# Altium PCB CDH_PCB_reva02.PcbDoc (part 1 of 2) (continued)
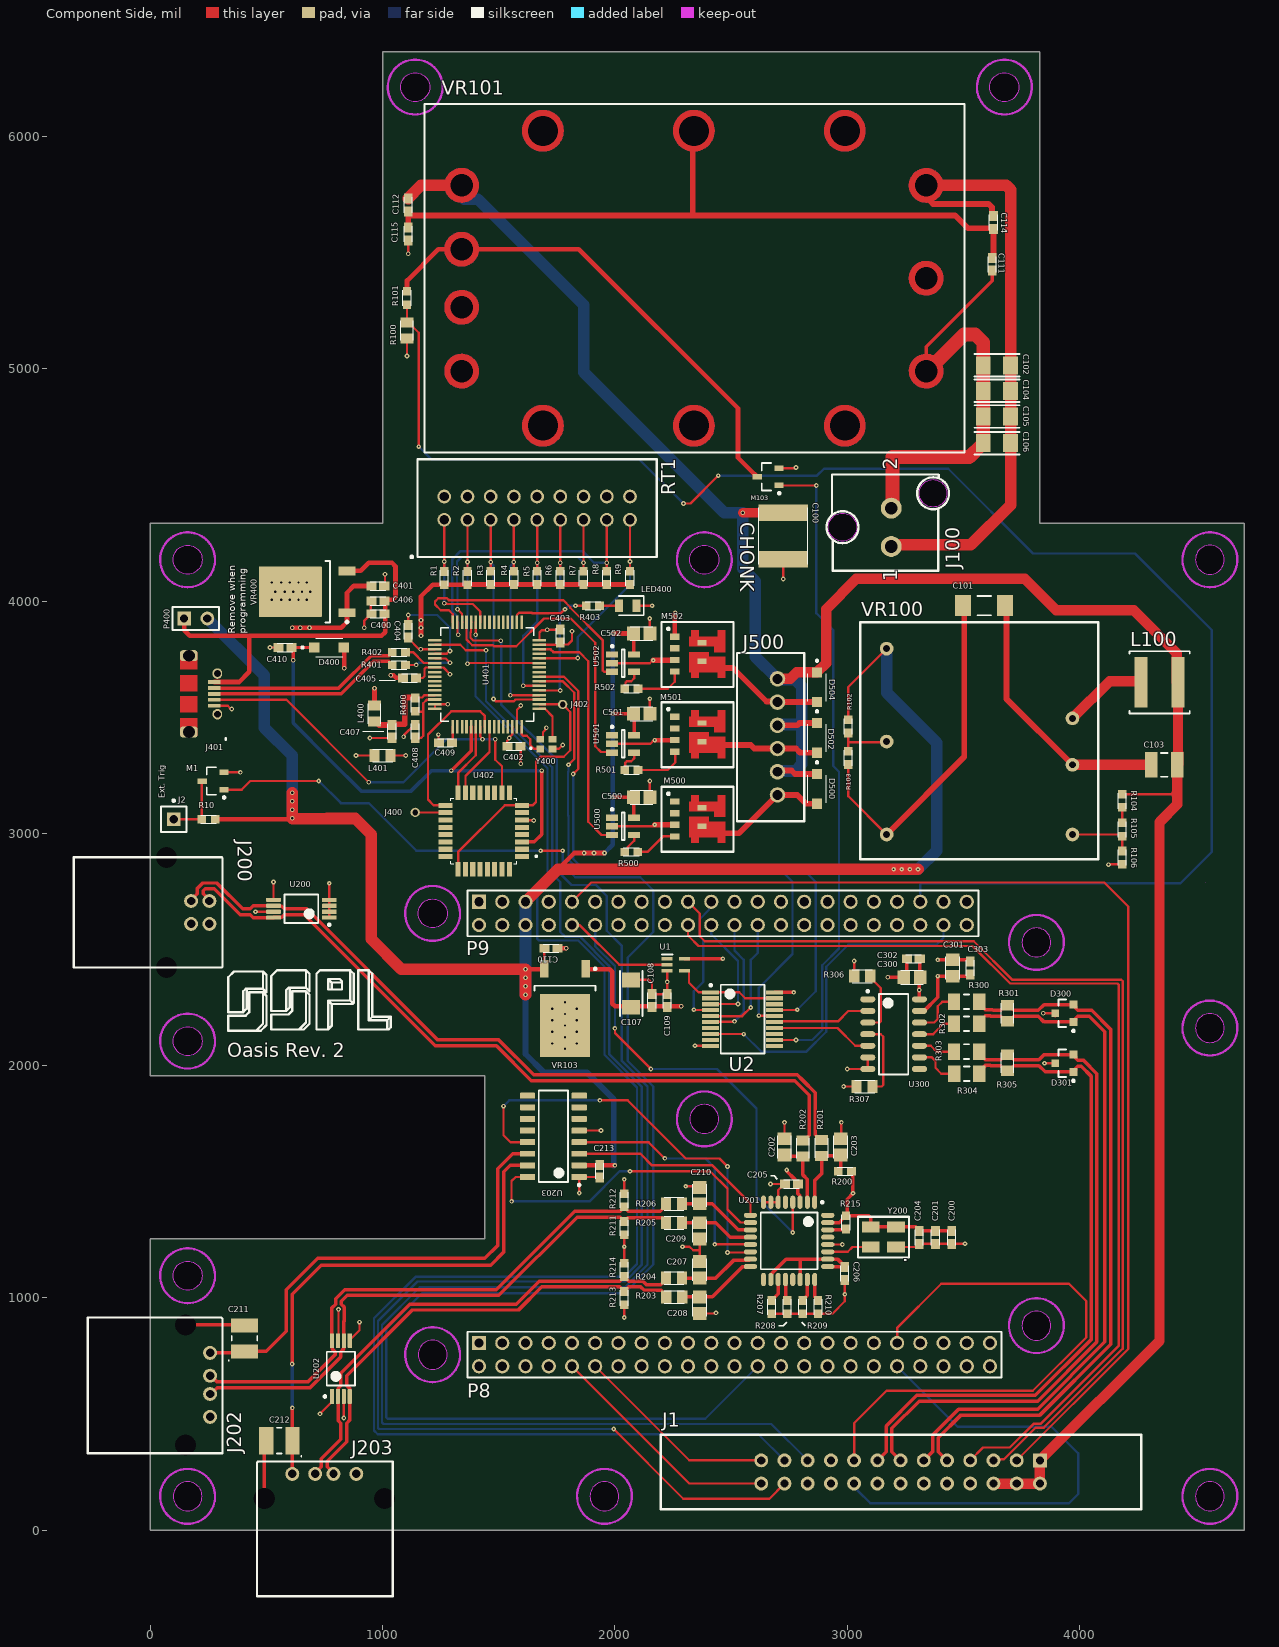
[diagram p0: Component Side view]
## Components (designator, comment, footprint, x,y, rotation, side; value= is the part's Value field where it differs from the comment) (continued)
D500 "STPS1L40ZF" *SODFL3718X108N 2870,3190.24 r270 top
D502 "STPS1L40ZF" *SODFL3718X108N 2870,3410 r270 top
D504 "STPS1L40ZF" *SODFL3718X108N 2870,3627.99 r270 top
J1 "TE_5499922-6" TE_5499922-6 3230,250 r180 top
J2 "External Trig. Socket" PIN1 100,3060 r0 top
J100 "LaserHeader" "MOLEX 2X1 LATCH HEADER" 3190,4235 r90 top
J200 "USB_B_FEMALE" USB_B_FEMALE_RT 175,2659.21 r270 top
J202 "USB_A_FEMALE" USB_A_FEMALE_SINGLE 150,625 r270 top
J203 "USB_A_FEMALE" USB_A_FEMALE_SINGLE 748.66,135 r0 top
J400 "Hole_25mil" PAD_40x25 1140,3090 r0 top value=DNI
J401 "uUSB Padsonly" uUSB_Padsonly 61.57,3800.28 r270 top value=DNI
J402 "Hole_25mil" PAD_40x25 1775,3555 r90 top value=DNI
J500 "HeaterConnector" "MOLEX 6x1 latch header" 2800.39,3066.58 r90 top
L100 "1.1uH Inductor" XAL6020-112ME_ 4345,3650 r180 top value="1.1 uH"
L400 "Ferritde, 600 Ohm Impedence" Imperial0805_RES 965,3515 r90 top value="600 Ohm"
L401 "Ferritde, 600 Ohm Impedence" Imperial0805_RES 1000,3335 r180 top value="600 Ohm"
LED400 "SML-211DTT86" LEDC2012X90N 2055,3980 r180 top
M1 "BSS138LT7G" SOT95P245X110-3N 270,3225 r180 top
M103 "BSS138LT7G" SOT95P245X110-3N 2660,4535 r180 top
M500 "NPN MOSFET" "PowerPAK SO-8L DUAL ASYMMETRIC" 2200.39,3200.08 r270 top locked
M501 "NPN MOSFET" "PowerPAK SO-8L DUAL ASYMMETRIC" 2200.39,3564.76 r270 top locked
M502 "NPN MOSFET" "PowerPAK SO-8L DUAL ASYMMETRIC" 2200.39,3910.08 r270 top locked
P8 "FEMALE HEADER 2x23" MAJOR-TSHC-123-D-03_V_FLIPPED 2515,755 r0 top locked
P9 "MALE HEADER 2x22" MAJOR-TSHC-123-D-03_V_TRIMMED 2515,2655 r0 top locked
P400 "Header 2" HDR1X2 145,3925 r0 top
R1 "10K Resistor" Imperial0603_RES 1265,4098.54 r270 top value=10K
R2 "10K Resistor" Imperial0603_RES 1365,4098.54 r270 top value=10K
R3 "10K Resistor" Imperial0603_RES 1465,4100 r270 top value=10K
R4 "10K Resistor" Imperial0603_RES 1565,4100 r270 top value=10K
R5 "10K Resistor" Imperial0603_RES 1665,4100 r90 top value=10K
R6 "10K Resistor" Imperial0603_RES 1765,4100 r270 top value=10K
R7 "10K Resistor" Imperial0603_RES 1865,4100 r270 top value=10K
R8 "10K Resistor" Imperial0603_RES 1965,4100 r270 top value=10K
R9 "10K Resistor" Imperial0603_RES 2065,4100 r270 top value=10K
R10 "MCT06030E1003BP500" Imperial0603_RES 250,3060 r180 top value=100k
R100 "RC0805JR-0710KL" Imperial0805_RES 1105,5165 r90 top value=10K
R101 "MCT06030E1003BP500" Imperial0603_RES 1105,5305 r90 top value=100k
R102 "0 Ohm Link" Imperial0603_RES 3005,3460 r270 top value=0
R103 "0 Ohm Link" Imperial0603_RES 3005,3325 r270 top value=0
R104 "MCT06030E1003BP500" Imperial0603_RES 4185,3140 r270 top value=100k
R105 "MCT06030E1003BP500" Imperial0603_RES 4185,3016.46 r270 top value=100k
R106 "MCT06030E1003BP500" Imperial0603_RES 4185,2895 r270 top value=100k
R200 "1.5KOhm Resistor" Imperial0603_RES 2990,1545 r0 top value=1.5K
R201 "27 Ohm Resistor" Imperial0805_RES 2890,1645 r270 top value=27
R202 "27 Ohm Resistor" Imperial0805_RES 2809.7,1643.66 r270 top value=27
R203 "27 Ohm Resistor" Imperial0805_RES 2255.55,1003.33 r0 top value=27
R204 "27 Ohm Resistor" Imperial0805_RES 2255,1085 r180 top value=27
R205 "27 Ohm Resistor" Imperial0805_RES 2255,1323.33 r0 top value=27
R206 "27 Ohm Resistor" Imperial0805_RES 2255,1404.57 r0 top value=27
R207 "15KOhm Resistor" Imperial0603_RES 2675,960 r270 top value=15K
R208 "15KOhm Resistor" Imperial0603_RES 2741.67,960 r270 top value=15K
R209 "15KOhm Resistor" Imperial0603_RES 2808.33,960 r270 top value=15K
R210 "15KOhm Resistor" Imperial0603_RES 2875,960 r270 top value=15K
R211 "15KOhm Resistor" Imperial0603_RES 2040,1300 r90 top value=15K
R212 "15KOhm Resistor" Imperial0603_RES 2040,1420 r90 top value=15K
R213 "15KOhm Resistor" Imperial0603_RES 2040,998.54 r90 top value=15K
R214 "15KOhm Resistor" Imperial0603_RES 2040,1120 r90 top value=15K
R215 "0 Ohm Link" Imperial0603_RES 2995,1325 r90 top value=0
R300 "10 Ohm Resistor" Imperial1206_RES 3514.13,2275 r0 top value=10
R301 "100 Ohm Resistor" Imperial0805_RES 3690,2225 r270 top value=100
R302 "10 Ohm Resistor" Imperial1206_RES 3514.13,2180 r0 top value=10
R303 "10 Ohm Resistor" Imperial1206_RES 3514.13,2060 r0 top value=10
R304 "10 Ohm Resistor" Imperial1206_RES 3515,1965 r0 top value=10
R305 "100 Ohm Resistor" Imperial0805_RES 3690,2011.89 r90 top value=100
R306 "RC0805JR-0710KL" Imperial0805_RES 3065,2385 r0 top value=10K
R307 "RC0805JR-0710KL" Imperial0805_RES 3075.55,1910 r0 top value=10K
R400 "470 Ohm Resistor" Imperial0603_RES 1140,3554 r90 top value=470
R401 "33 Ohm Resistor" Imperial0603_RES 1070,3725 r180 top value=33
R402 "33 Ohm Resistor" Imperial0603_RES 1070,3780 r180 top value=33
R403 "470 Ohm Resistor" Imperial0603_RES 1905,3980 r180 top value=470
R500 "CRCW0603100RFKEAC" Imperial0603_RES 2070.31,2920 r0 top value=100
R501 "CRCW0603100RFKEAC" Imperial0603_RES 2070.75,3272.6 r0 top value=100
R502 "CRCW0603100RFKEAC" Imperial0603_RES 2070.75,3622.6 r0 top value=100
RT1 "NTC Thermister Array" "MOLEX 90130-1118" 1265,4350 r0 top
U1 "single gate inverter" SOT65P210X110-5N 2262.6,2434.41 r0 top
U2 "Tristate buffer" SOP65P780X200-20N 2550,2200 r0 top locked
U200 "SN65240PWR" PW0008A_M 650,2675 r180 top
U201 "TUSB2046B_VF_32" TQFP80P900X900X160-32N 2750,1245 r270 top value=Value
U202 "SN65240PWR" PW0008A_M 820,695 r90 top
U203 "TPS2044BDR" D0016A_M_Local 1735,1695 r180 top
U300 "SN65HVD1470D" SOIC127P590X175-14M 3200,2135 r0 top locked
U401 "MK20DX256VLH7" *QFP50P1200X1200X160-64N 1450,3684 r0 top
U402 "MKL04Z32" *QFP80P900X900X160-32N 1435,3010 r180 top
U500 "LTC1981ES5#TRMPBF" LT-S5-5-SOT-23_M 2035.31,3030 r0 top
U501 "LTC1981ES5#TRMPBF" LT-S5-5-SOT-23_M 2035.31,3385 r0 top
U502 "LTC1981ES5#TRMPBF" LT-S5-5-SOT-23_M 2035.31,3732.6 r0 top
VR100 "28 to 5V switching converter" "THN 30-2411WI-A1" 3570,3395 r270 top locked
VR101 "V24C28C50BL" V24C48C50BL_tht 3480,4665 r90 top locked
VR103 "LP38691DT-3.3/NOPB" NDP0003B_N 1785,2245 r270 top
VR400 "LP38691DT-3.3/NOPB" NDP0003B_N 675,4040 r180 top
Y200 "48MHz Oscillator" KC3225-C3 3121.42,1218.39 r90 top
Y400 "ECS-160-10-37-JTN-TR" XTAL_ECS-160-10-37-RWM-TR 1705,3384 r0 top

## Footprints (in the part's own frame and the unit in brackets; to place one, negate y for a bottom-side part, rotate by r counter-clockwise, add the part's x,y. Pads: shape width x height; smd on the part's side, far side on the other; paste and mask are expansions set on the pad)
*QFP50P1200X1200X160-64N [mil]
  rect 58x11 smd: 1(-225,148) 2(-225,128) 3(-225,108) 4(-225,89) 5(-225,69) 6(-225,49) 7(-225,30) 8(-225,10) 9(-225,-10) 10(-225,-30) 11(-225,-49) 12(-225,-69) 13(-225,-89) 14(-225,-108) 15(-225,-128) 16(-225,-148) 33(225,-148) 34(225,-128) 35(225,-108) 36(225,-89) 37(225,-69) 38(225,-49) 39(225,-30) 40(225,-10) 41(225,10) 42(225,30) 43(225,49) 44(225,69) 45(225,89) 46(225,108) 47(225,128) 48(225,148)
  rect 11x58 smd: 17(-148,-225) 18(-128,-225) 19(-108,-225) 20(-89,-225) 21(-69,-225) 22(-49,-225) 23(-30,-225) 24(-10,-225) 25(10,-225) 26(30,-225) 27(49,-225) 28(69,-225) 29(89,-225) 30(108,-225) 31(128,-225) 32(148,-225) 49(148,225) 50(128,225) 51(108,225) 52(89,225) 53(69,225) 54(49,225) 55(30,225) 56(10,225) 57(-10,225) 58(-30,225) 59(-49,225) 60(-69,225) 61(-89,225) 62(-108,225) 63(-128,225) 64(-148,225)
  silkscreen extent -201,-201 201,201, body extent -239,-240 239,238, height 64
*QFP80P900X900X160-32N [mm]
  rect 1.56x0.55 smd: 1(-4.18,2.8) 2(-4.18,2) 3(-4.18,1.2) 4(-4.18,0.4) 5(-4.18,-0.4) 6(-4.18,-1.2) 7(-4.18,-2) 8(-4.18,-2.8) 17(4.18,-2.8) 18(4.18,-2) 19(4.18,-1.2) 20(4.18,-0.4) 21(4.18,0.4) 22(4.18,1.2) 23(4.18,2) 24(4.18,2.8)
  rect 0.55x1.56 smd: 9(-2.8,-4.18) 10(-2,-4.18) 11(-1.2,-4.18) 12(-0.4,-4.18) 13(0.4,-4.18) 14(1.2,-4.18) 15(2,-4.18) 16(2.8,-4.18) 25(2.8,4.18) 26(2,4.18) 27(1.2,4.18) 28(0.4,4.18) 29(-0.4,4.18) 30(-1.2,4.18) 31(-2,4.18) 32(-2.8,4.18)
  silkscreen extent -5.84,-3.6 3.6,3.6, body extent -3.56,-3.56 3.56,3.56, height 0.76
*SODFL3718X108N [mm]
  rect 1.12x1.08 smd: A(1.6,0) C(-1.645,0)
  silkscreen extent -3.04,-1 1.5,1, body extent -1.52,-1.02 1.52,1.02, height 0.97
BOUR-SOT23-3_V [mm] "SOT23, 3-Leads, Body 2.9x1.3mm, Pitch 0.95mm"
  rect 0.85x0.85 smd: 1(-1,0.95) 2(-1,-0.95) 3(1,0)
  silkscreen extent -1.13,-1.5 0.65,2.05, body extent -0.65,-1.45 0.65,1.45, height 1.17
CAA572C0G2J204J640LH [mm] "2220 Footprint for CAA572C0G2J204J640LH"
  rect 1.81x5.41 smd: 1(-2.55,0.127) 2(2.55,0.127)
  silkscreen extent -3.1,-2.57 3.1,2.83
D0016A_M_Local [mm] "SOIC, 16-Leads, Body 10x4mm, Pitch 1.27mm, IPC Low Density"
  rrect15% 1.65x0.65 smd: 1(-2.825,4.445) 2(-2.825,3.175) 3(-2.825,1.905) 4(-2.825,0.635) 5(-2.825,-0.635) 6(-2.825,-1.905) 7(-2.825,-3.175) 8(-2.825,-4.445) 9(2.825,-4.445) 10(2.825,-3.175) 11(2.825,-1.905) 12(2.825,-0.635) 13(2.825,0.635) 14(2.825,1.905) 15(2.825,3.175) 16(2.825,4.445)
  silkscreen extent -2.95,-5 1.6,5.44, body extent -3,-4.95 3,4.95, height 1.59
HDR1X2 [mm] "Connector; Header; 2 Position"
  rect 1.5x1.5 hole 0.9: 1(0,0)
  round 1.5 hole 0.9: 2(2.54,0)
  silkscreen extent -1.27,-1.27 3.81,1.27
IMPERIAL0603_Capacitor [mm]
  rect 1.1x0.95 smd: 1(-0.7,0) 2(0.7,0)
  silkscreen extent -0.85,-0.45 0.85,0.45, body extent -0.85,-0.45 0.85,0.45, height 0.5
Imperial0603_RES [mm] "Imperial 0603 resistor footprint"
  rect 0.95x0.9 smd: 1(-0.725,0) 2(0.725,0)
  silkscreen extent -0.85,-0.45 0.85,0.45, body extent -0.85,-0.45 0.85,0.45, height 0.55
IMPERIAL0805_CAPACITOR [mm] "Chip Capacitor, 2-Leads, Body 2.13x1.27mm, IPC Medium Density"
  rect 1.4x1.5 smd: 1(-0.9,0) 2(0.9,0)
  silkscreen extent -1.23,-0.75 1.22,0.75, body extent -1.22,-0.75 1.22,0.75, height 0.45
Imperial0805_RES [mm] "Imperial 0805 Resistor"
  rect 1.1x1.4 smd: 1(-0.875,0) 2(0.875,0)
  silkscreen extent -1.07,-0.7 1.08,0.7, body extent -1.08,-0.7 1.08,0.7, height 0.6
IMPERIAL1206_CAPACITOR [mm]
  rect 1.62x1.96 smd: 1(-1.49,0) 2(1.49,0)
  silkscreen extent -2.47,-1.23 2.48,1.23, body extent -1.85,-0.97 1.85,0.97, height 1.6
Imperial1206_RES [mm] "Imperial 1206 Resistor"
  rect 1.35x1.8 smd: 1(-1.375,0) 2(1.375,0)
  silkscreen extent -0.3,-0.8 0.3,0.8, body extent -1.7,-0.9 1.7,0.9, height 0.7
Imperial1210_Cap [mm] "Imperial 1210 MLCC Chip capacitor"
  rect 1.35x2.8 smd: 1(-1.425,0) 2(1.425,0)
  silkscreen extent -0.35,-1.3 0.35,1.3, body extent -1.75,-1.4 1.75,1.4, height 2.8
Imperial1808_CAP [mm] "Imperial 1808 chip capacitor"
  rect 1.75x2.3 smd: 1(-2.3,0) 2(2.3,0)
  silkscreen extent -0.75,-1.05 0.75,1.05, body extent -2.6,-1.1 2.6,1.1, height 2.15
KC3225-C3 [mm] "Crystal Oscillator for USB"
  rect 1.2x1.95 smd: 1(2.2,-2.25) 2(0,-2.25) 3(0,0.5) 4(2.2,0.5)
  silkscreen extent -1.14,-3.68 3.3,1.91, body extent -0.46,-2.12 2.74,0.38, height 0.9
LEDC2012X90N [mm]
  rect 0.9x1.4 smd: 1(-0.95,0) 2(0.95,0)
  silkscreen extent -1.75,-1.05 0.95,1.05, body extent -1,-0.62 1,0.62, height 0.8
LT-S5-5-SOT-23_M [mm] "SOT23, 5-Leads, Body 3x1.75mm, Pitch 0.95mm, IPC Low Density"
  rect 1.3x0.7 smd: 1(-1.2,0.95) 2(-1.2,0) 3(-1.2,-0.95) 4(1.2,-0.95) 5(1.2,0.95)
  silkscreen extent -1.32,-1.5 0.15,1.97, body extent -0.87,-1.5 0.87,1.5, height 1.45
MAJOR-TSHC-123-D-03_V_FLIPPED [mm] "CONN, 46-Leads, Body 58.42x5mm, Pitch 2.54mm"
  rect 1.55x1.55 hole 1.02 paste+0: 1(-27.94,1.27)
  round 1.55 hole 1.02 paste+0: 2(-27.94,-1.27) 3(-25.4,1.27) 4(-25.4,-1.27) 5(-22.86,1.27) 6(-22.86,-1.27) 7(-20.32,1.27) 8(-20.32,-1.27) 9(-17.78,1.27) 10(-17.78,-1.27) 11(-15.24,1.27) 12(-15.24,-1.27) 13(-12.7,1.27) 14(-12.7,-1.27) 15(-10.16,1.27) 16(-10.16,-1.27) 17(-7.62,1.27) 18(-7.62,-1.27) 19(-5.08,1.27) 20(-5.08,-1.27) 21(-2.54,1.27) 22(-2.54,-1.27) 23(0,1.27) 24(0,-1.27) 25(2.54,1.27) 26(2.54,-1.27) 27(5.08,1.27) 28(5.08,-1.27) 29(7.62,1.27) 30(7.62,-1.27) 31(10.16,1.27) 32(10.16,-1.27) 33(12.7,1.27) 34(12.7,-1.27) 35(15.24,1.27) 36(15.24,-1.27) 37(17.78,1.27) 38(17.78,-1.27) 39(20.32,1.27) 40(20.32,-1.27) 41(22.86,1.27) 42(22.86,-1.27) 43(25.4,1.27) 44(25.4,-1.27) 45(27.94,1.27) 46(27.94,-1.27)
  silkscreen extent -29.21,-2.5 29.21,2.5, body extent -29.21,-2.5 29.21,2.5, height 8.51
MAJOR-TSHC-123-D-03_V_TRIMMED [mm] "CONN, 44-Leads, Body 58.42x5mm, Pitch 2.54mm"
  rect 1.55x1.55 hole 1.02 paste+0: 1(-27.94,1.27)
  round 1.55 hole 1.02 paste+0: 2(-27.94,-1.27) 3(-25.4,1.27) 4(-25.4,-1.27) 5(-22.86,1.27) 6(-22.86,-1.27) 7(-20.32,1.27) 8(-20.32,-1.27) 9(-17.78,1.27) 10(-17.78,-1.27) 11(-15.24,1.27) 12(-15.24,-1.27) 13(-12.7,1.27) 14(-12.7,-1.27) 15(-10.16,1.27) 16(-10.16,-1.27) 17(-7.62,1.27) 18(-7.62,-1.27) 19(-5.08,1.27) 20(-5.08,-1.27) 21(-2.54,1.27) 22(-2.54,-1.27) 23(0,1.27) 24(0,-1.27) 25(2.54,1.27) 26(2.54,-1.27) 27(5.08,1.27) 28(5.08,-1.27) 29(7.62,1.27) 30(7.62,-1.27) 31(10.16,1.27) 32(10.16,-1.27) 33(12.7,1.27) 34(12.7,-1.27) 35(15.24,1.27) 36(15.24,-1.27) 37(17.78,1.27) 38(17.78,-1.27) 39(20.32,1.27) 40(20.32,-1.27) 41(22.86,1.27) 42(22.86,-1.27) 43(25.4,1.27) 44(25.4,-1.27)
  silkscreen extent -29.21,-2.5 26.67,2.5, body extent -29.21,-2.5 26.67,2.5, height 8.51
"MOLEX 2X1 LATCH HEADER" [mil] "2x1 female molex connector for laser"
  round 90 hole 55 paste+0: 1(0,0) 2(165,0)
  silkscreen extent -104,-249 310,279, body extent -104,-203 310,253, height 504
"MOLEX 6x1 latch header" [mm] "Single row, 6 position pin header with positive latch"
  round 1.7 hole 1.09 paste+0: 1(2.5,2.55) 2(5.04,2.55) 3(7.58,2.55) 4(10.12,2.55) 5(12.66,2.55) 6(15.2,2.55)
  silkscreen extent -0.38,-0.38 18.03,6.99, body extent 0,0 17.7,6.6, height 11.8
"MOLEX 90130-1118" [mm] "9x2 male shrouded pin header"
  round 1.5 hole 1 paste+0: 1(0,0) 2(0,2.54) 3(2.54,0) 4(2.54,2.54) 5(5.08,0) 6(5.08,2.54) 7(7.62,0) 8(7.62,2.54) 9(10.16,0) 10(10.16,2.54) 11(12.7,0) 12(12.7,2.54) 15(17.78,0) 16(17.78,2.54) 17(20.32,0) 18(20.32,2.54)
  round 1.5 hole 1: 13(15.24,0) 14(15.24,2.54)
  silkscreen extent -3.68,-4.19 23.24,6.6, body extent -2.44,-3.61 22.76,6.15, height 10.95
NDP0003B_N [mm] "D-PAK, 4-Leads, Body 6.1x6.6mm, Pitch 2.29mm, Lead Span 9.7mm, IPC Medium Density"
  rrect11% 1.9x0.95 smd: 1(-4.35,2.28) 3(-4.35,-2.28)
  rrect2% 6.9x5.5 smd: 4(1.85,0)
  silkscreen extent -4.47,-3.35 -2,3.43, body extent -4.45,-3.35 5.08,3.35, height 2.38
PAD_40x25 [mil] "Single through-hole solder pad"
  round 40 hole 25: 1(0,0)
PIN1 [mm] "Connector; Plug"
  rect 1.5x1.5 hole 0.9: 1(0,0)
  silkscreen extent -1.4,-1.4 1.4,2.17
POLAR_CAP_SMD_EIA2010 [mm] "Polarized SMT capacitor, Imperial 2010 footprint"
  rect 1.55x3 smd: 1(-1.425,0) 2(1.425,0)
  silkscreen extent -2.46,-1.4 0.25,1.76, body extent -1.85,-1.5 1.85,1.5, height 1.1
"PowerPAK SO-8L DUAL ASYMMETRIC" [mm]
  rect 0.59x1.02 smd paste-1 mask-1: D1(2.28,4.435) D2(4.32,4.435)
  rect 0.68x1.02 smd: G1(2.88,1.455) G2(5.42,1.455) S1(1.61,1.455) S2(4.15,1.455)
  Component Side region: 7.874,-1.016
  Component Side region: 0.915,6.985 3.3,6.985 3.3,5.775 2.685,5.775 2.685,3.025 1.625,3.025 1.625,3.255 0.915,3.255 0.915,4.065 1.625,4.065 1.625,6.175 0.915,6.175
  Component Side region: 3.81,6.985 6.115,6.985 6.115,6.175 5.53,6.175 5.53,4.065 6.115,4.065 6.115,3.255 5.53,3.255 5.53,3.025 3.3,3.025 3.3,5.165 3.81,5.165
  Component Side region: 4.58,5.715
  Component Side region: 4.58,6.35
  silkscreen extent 0,0 7.11,7.87, body extent 1.27,1.4 5.71,6.6, height 1.02
PW0008A_M [mm] "SOP, 8-Leads, Body 4.5x3.1mm, Pitch 0.65mm, IPC Low Density"
  rrect22% 1.6x0.45 smd: 1(-3.05,0.975) 2(-3.05,0.325) 3(-3.05,-0.325) 4(-3.05,-0.975) 5(3.05,-0.975) 6(3.05,-0.325) 7(3.05,0.325) 8(3.05,0.975)
  silkscreen extent -3.18,-1.55 1.85,1.87, body extent -3.23,-1.5 3.23,1.5, height 1.2
SOIC127P590X175-14M [mm] "SOIC, 14-Leads, Body 8.65x3.90mm, Pitch 1.27mm, IPC Low Density"
  oval 1.65x0.65 smd: 1(-2.825,3.81) 2(-2.825,2.54) 3(-2.825,1.27) 4(-2.825,0) 5(-2.825,-1.27) 6(-2.825,-2.54) 7(-2.825,-3.81) 8(2.825,-3.81) 9(2.825,-2.54) 10(2.825,-1.27) 11(2.825,0) 12(2.825,1.27) 13(2.825,2.54) 14(2.825,3.81)
  silkscreen extent -2.95,-4.4 1.6,4.81, body extent -2.95,-4.4 2.95,4.4, height 1.75
SOP65P780X200-20N [mm] "SOP, 20-Leads, Body 7.20x5.30mm, Pitch 0.65mm, IPC Medium Density"
  rect 1.85x0.45 smd: 1(-3.5,2.925) 2(-3.5,2.275) 3(-3.5,1.625) 4(-3.5,0.975) 5(-3.5,0.325) 6(-3.5,-0.325) 7(-3.5,-0.975) 8(-3.5,-1.625) 9(-3.5,-2.275) 10(-3.5,-2.925) 11(3.5,-2.925) 12(3.5,-2.275) 13(3.5,-1.625) 14(3.5,-0.975) 15(3.5,-0.325) 16(3.5,0.325) 17(3.5,0.975) 18(3.5,1.625) 19(3.5,2.275) 20(3.5,2.925)
  silkscreen extent -3.62,-3.75 2.4,3.82, body extent -3.9,-3.75 3.9,3.75, height 2
SOT65P210X110-5N [mm]
  rect 1.2x0.4 smd: 1(-0.95,0.65) 2(-0.95,0) 3(-0.95,-0.65) 4(0.95,-0.65) 5(0.95,0.65)
  silkscreen extent -1.55,1.1 -0.35,1.1, body extent -1.05,-1 1.05,1, height 1.1
SOT95P245X110-3N [mm] "SOT23, 3-Leads, Body 2.92x2.45mm, Pitch 0.95mm, IPC Medium Density"
  rect 1x0.6 smd: 1(-1.2,0.95) 2(-1.2,-0.95) 3(1.2,0)
  silkscreen extent -1.33,-1.5 0.7,1.92, body extent -1.3,-1.52 1.3,1.52, height 1.1
TE_5499922-6 [mil] "AMP-LATCH Universal Headers 26 Pos"
  rect 60x60 hole 35: 1(-600,-50)
  round 60 hole 35: 2(-600,50) 3(-500,-50) 4(-500,50) 5(-400,-50) 6(-400,50) 7(-300,-50) 8(-300,50) 9(-200,-50) 10(-200,50) 11(-100,-50) 12(-100,50) 13(0,-50) 14(0,50) 15(100,-50) 16(100,50) 17(200,-50) 18(200,50) 19(300,-50) 20(300,50) 21(400,-50) 22(400,50) 23(500,-50) 24(500,50) 25(600,-50) 26(600,50)
  silkscreen extent -1037,-160 1032,160, body extent -1030,-156 1030,180, height 1061
"THN 30-2411WI-A1" [mm]
  round 1.5 hole 0.75 paste+0: 1(-2.54,10.16) 2(2.54,10.16) 3(-10.16,-10.16) 4(0,-10.16) 5(10.16,-10.16) 6(10.16,10.16)
  silkscreen extent -13.05,-13.04 12.86,12.99, body extent -12.79,-12.66 12.61,12.74, height 10.2
TQFP80P900X900X160-32N [mm] "TQFP, 32-Leads, Body 7.00x7.00mm, Pitch 0.80mm, IPC Medium Density"
  oval 1.45x0.55 smd: 1(-4.225,2.8) 2(-4.225,2) 3(-4.225,1.2) 4(-4.225,0.4) 5(-4.225,-0.4) 6(-4.225,-1.2) 7(-4.225,-2) 8(-4.225,-2.8) 17(4.225,-2.8) 18(4.225,-2) 19(4.225,-1.2) 20(4.225,-0.4) 21(4.225,0.4) 22(4.225,1.2) 23(4.225,2) 24(4.225,2.8)
  oval 0.55x1.45 smd: 9(-2.8,-4.225) 10(-2,-4.225) 11(-1.2,-4.225) 12(-0.4,-4.225) 13(0.4,-4.225) 14(1.2,-4.225) 15(2,-4.225) 16(2.8,-4.225) 25(2.8,4.225) 26(2,4.225) 27(1.2,4.225) 28(0.4,4.225) 29(-0.4,4.225) 30(-1.2,4.225) 31(-2,4.225) 32(-2.8,4.225)
  silkscreen extent -4.35,-3.1 3.1,3.75, body extent -4.5,-4.5 4.5,4.5, height 1.6
USB_A_FEMALE_SINGLE [mm] "A horizontally oriented, USB type A receptacle."
  round 1.524 hole 0.92: D+(1,2.71) D-(-1,2.71) GND(3.5,2.71) Vcc(-3.5,2.71)
  round 1.524 hole 2.3 paste+2 mask+0.202: Shield(-6.57,0)
  round 1.524 hole 2.3 mask+0.202: Shield(6.57,0)
  silkscreen extent -7.37,-10.67 7.49,4.06, body extent -7.25,-10.67 7.25,3.85, height 7.12
USB_B_FEMALE_RT [mm] "USB Type B female receptacle, right angle"
  round 1.524 hole 0.92: D+(-1.25,0) D-(-1.25,2) GND(1.25,0) Vcc(1.25,2)
  round 1.524 hole 2.3 mask+0.204: Shield(-6.025,-2.71) Shield(6.025,-2.71)
  silkscreen extent -6.02,-12.83 6.02,3.43, body extent -7.24,-12.89 6.02,3.43, height 10.62
uUSB_Padsonly [mm] "MicroUSB Connection - through hole pads only"
  rect 0.4x1.35 smd paste+0 mask+0.102: 1(3.78,5.421) 2(4.43,5.421) 3(5.087,5.421) 4(5.73,5.421) 5(6.38,5.421)
  rrect50% 1.2x1.9 hole 1.3: shield(0.905,2.635) shield(9.255,2.635)
  rrect100% 1.15x1.05 hole 0.75 paste+0: shield(2.855,5.755)
  rrect100% 1.15x1.05 hole 0.75: shield(7.305,5.755)
  Component Side region: 5.33,1.685 7.13,1.685 7.13,3.585 5.33,3.585
  Component Side region: 3.03,1.685 4.83,1.685 4.83,3.585 3.03,3.585
  Component Side region: 0.53,1.685 2.43,1.685 2.43,3.585 0.53,3.585
  Component Side region: 9.63,3.585 7.73,3.585 7.73,1.685 9.63,1.685
  silkscreen extent 9.91,6.68 10.08,6.68, body extent 1.33,0 8.83,5.59, height 3
V24C48C50BL_tht [mil] "THT V24C48C50BL footprint"
  oval 59.06x60 hole 97: 1(1125,2140) 2(850,2140) 3(600,2140) 4(325,2140) 5(325,140) 7(1125,140)
  oval 59.06x60 hole 97 paste+5: 6(725,140)
  round 59.06 hole 129 paste+5 mask+20: BASE(90,1790) BASE(1360,490) BASE(1360,1140)
  round 59.06 hole 129 mask+20: BASE(90,1140) BASE(90,490) BASE(1360,1790)
  Multi-Layer circle w30: c1125,140 r60
  Multi-Layer circle w30: c725,140 r60
  Multi-Layer circle w30: c325,2140 r60
  Multi-Layer circle w30: c600,2140 r60
  Multi-Layer circle w30: c90,1790 r75
  Multi-Layer circle w30: c1360,490 r75
  Multi-Layer circle w30: c90,1140 r75
  Multi-Layer circle w30: c90,490 r75
  Multi-Layer circle w30: c1360,1790 r75
  Multi-Layer lines w30: 850,2200 ccw(c850,2140) 807.57,2182.43 ccw(c850,2140) 850,2080 ccw(c850,2140) 850,2200 ; 1125,2200 cw(c1125,2140) 1125,2080 cw(c1125,2140) 1065.91,2129.59 cw(c1125,2140) 1125,2200 ; 1285.17,1145 cw(c1360,1140) 1360,1065 cw(c1360,1140) 1285.17,1145 ; 385,140 ccw(c325,140) 325,80 ccw(c325,140) 367.19,97.34 ccw(c325,140) 385,140
  silkscreen extent -25,-25 1475,2300, body extent 0,5 1450,2285, height 525
XAL6020-112ME_ [mm] "Precision Wire Wound Inductor, 2-Leads, Body 6.36x6.56mm, IPC Medium Density"
  rect 1.43x5.5 smd: 1(-2.02,0) 2(2.02,0)
  silkscreen extent -3.3,-3.4 3.3,3.4, body extent -3.28,-3.28 3.28,3.28, height 2.2
XTAL_ECS-160-10-37-RWM-TR [mm]
  rect 0.85x0.75 smd: 1(-0.675,-0.525) 2(0.675,-0.525) 3(0.675,0.525) 4(-0.675,0.525)
  silkscreen extent -1.8,-0.55 -1.6,-0.35, body extent -0.97,-0.8 1.03,0.8, height 0.55

## Part data
C100: library part CAA572C0G2J204J640LH, "0.2uF capacitor, high voltage", Supplier Part Number 1=445-180360-1-ND, Supplier 1=Digi-Key
C101: library part C1808C681KHRACTU, "680pF Cap for EMI suppresion on 5V regulator", Supplier Part Number 1=80-C1808C681KHR, Supplier 1=Mouser
C102 C104 C105 C106: "0.82 uF Capacitor for creating output capacitance on 48V converter", Manufacturer=KEMET, Manufacturer Part Number=C1206X824J1RACAUTO
C103: library part CNA6P1X7R1H106K250AE, "10 uF Capacitor for EMI supression on 5V regulator", Supplier Part Number=C2012X8L1A106K125AE, Supplier Part Number 1=810-CNA6P1X7R1H106K2, Supplier 1=Mouser
C107: "10 uF Capacitor, non-polar", Manufacturer=KEMET, Manufacturer Part Number=C1206X106K8RACAUTO
C108 C213: library part VJ0603Y104MXQPW1BC, "0.1uF Capacitor, Non Polarized Chip Cap", Supplier Part Number 1=963-LMK107BJ225KK-T, Supplier 1=Mouser
C109 C110 C302 C303: library part TMK107BLD105KA-T, Supplier Part Number 1=963-TMK107BLD105KA-T, Supplier 1=Mouser
C111 C112 C114 C115: library part CGA3E2X8R2A472K080AE, "4.7nF soft terminated MLCC capacitor for 48V emi filtering", Supplier Part Number 1=810-CGA3E2X8R2A472KA, Supplier 1=Mouser
C200 C201 C204: library part 06033C103J4Z2A, "10nF Capacitor for crystal oscillator", Manufacturer=AVX, Supplier Part Number=581-06033C103J4Z2A, Manufacturer Part Number=06033C103J4Z2A, Supplier=Mouser
C202 C203 C207 C208 C209 C210: library part C0805X220K3GACAUTO, "22pF USB Filter Capacitor", Supplier Part Number 1=399-19450-1-ND, LatestRevisionDate=29-May-2009, LatestRevisionNote="IPC-7351 Footprint Added.", PackageDescription="Chip Capacitor", PackageReference=C1206, Published=8-Jun-2000, Publisher="Altium Limited", Supplier 1=Digi-Key
C205 C206: library part C0603C101K8HAUTO, "100pF Cap for IC Vcc Smoothing", Supplier Part Number 1=80-C0603C101K8HAUTO, LatestRevisionDate=29-May-2009, LatestRevisionNote="IPC-7351 Footprint Added.", PackageDescription="Chip Capacitor", PackageReference=C1206, Published=8-Jun-2000, Publisher="Altium Limited", Supplier 1=Mouser
C211 C212: "100uF, USB Power smoothing capacitor, tantalium, low ESR", Supplier Part Number 1=478-12526-1-ND, LatestRevisionDate=29-May-2009, LatestRevisionNote="IPC-7351 Footprint Added.", PackageDescription="Chip Capacitor", PackageReference=C0805, Published=8-Jun-2000, Publisher="Altium Limited", Supplier 1=Digi-Key
C300 C301: library part GCM219R71C204JA37J, Supplier Part Number 1=81-GCM219R71C204JA7J, LatestRevisionDate=29-May-2009, LatestRevisionNote="IPC-7351 Footprint Added.", PackageDescription="Chip Capacitor", PackageReference=C1206, Published=8-Jun-2000, Publisher="Altium Limited", Supplier 1=Mouser
C400 C401 C402 C406 C407: library part LMK107BJ225KK-T, "2.2uF Capacitor, Non Polarized Chip Cap", Supplier Part Number 1=963-LMK107BJ225KK-T, Supplier 1=Mouser
C403 C404 C405 C408 C409 C410: library part TMK107BJ104KA-T, "0.1uF capacitor, Non Polarized Chip Cap", Supplier Part Number 1=963-TMK107BJ104KA-T, Supplier 1=Mouser
C500 C501 C502: library part C2012X8L1A106K125AE, "10 uF Capacitor", Supplier Part Number=C2012X8L1A106K125AE
D300 D301: "TVS Diode, 17 A Ipp, -55 to 150 degC, 3-Pin SOT23, RoHS, Tape and Reel", Capacitance @ Frequency=75pF@1MHz, Current - Peak Pulse (10/1000µs)=17A(8/20µs), Manufacturer=Bourns, Operating Temperature=-55degC~150degC(TJ), Package / Case=TO-236-3,SC-59,SOT-23-3, Package Description="3-Lead Small Out-Line Transistor, Body 2.9x1.3mm, Pitch 0.95mm", Power - Peak Pulse=400W, Power Line Protection=No, Standard Package=1, Supplier Device Package=SOT-23-3, Voltage - Breakdown (Min)=7.5V,13.3V, Voltage - Clamping (Max) @ Ipp=14V,26V, Voltage - Reverse Standoff (Typ)=7V(Max),12V(Max), Applications=GeneralPurpose, Bidirectional Channels=2, Catalog Drawings=CDSOT23-SM712Schematic, Category=CircuitProtection, Datasheet URL=https://datasheet.ciiva.com/11193/cdsot23-sm712-11193846.pdf, Datasheet Version=Aug-12, Family=TVS-Diodes, For Use With=EVAL-CN0313-SDPZ-ND-EVALEMCRS-485CERTIFIED, Kits=PN-DESIGNKIT-22-ND-KITESD/EFTSURGEPROTECTION, Manufacturer URL=http://www.bourns.com/, Mounting Type=SurfaceMount, Online Catalog=CDSOT23Series, Other Names=CDSOT23-SM712CT, Packaging=CutTape(CT), Product Training Modules=ESDProtectionProducts, Related Products=ADM3485EARZ-REEL7TR-ND-ICTXRXRS-485HS3.3V8SOICADM3485EARZ-REEL7CT-ND-ICTXRXRS-485HS3.3V8SOICADM3485EARZ-REEL7DKR-ND-ICTXRXRS-485HS3.3V8SOICADM3485EARZ-ND-ICTX/RXRS-485HS3.3V8-SOICADM3485EAR-ND-ICTX/RXRS-485HS3.3V8-SOIC296-38503-5-ND-ICTXRXRS4853.3VESD14SOIC296-38501-5-ND-ICRS485TXRX3.3ESD8SOIC296-38522-5-ND-ICTXRXRS4853.3V14SOIC296-38502-5-ND-ICTXRXRS4853.3VESD14SOICADM3485EARZ-REELTR-ND-ICTXRXRS-4853.3V8SOICADM3485EARZ-REELCT-ND-ICTXRXRS-4853.3V8SOICADM3485EARZ-REELDKR-ND-ICTXRXRS-4853.3V8SOIC296-40517-2-ND-ICTXRXRS4853.3V14SOIC296-40517-1-ND-ICTXRXRS4853.3V14SOIC296-40517-6-ND-ICTXRXRS4853.3V14SOIC296-40519-2-ND-ICRS485TXRX3.3ESD8SOIC296-40519-1-ND-ICRS485TXRX3.3ESD8SOIC296-40519-6-ND-ICRS485TXRX3.3ESD8SOIC296-40524-2-ND-ICTXRXRS4853.3VESD8SOIC296-40524-1-ND-ICTXRXRS4853.3VESD8SOIC296-40524-6-ND-ICTXRXRS4853.3VESD8SOIC296-40522-2-ND-ICTXRXRS4853.3VESD14SOIC296-40522-1-ND-ICTXRXRS4853.3VESD14SOIC296-40522-6-ND-ICTXRXRS4853.3VESD14SOIC296-40529-2-ND-ICRS485TXRX3.3ESD8SOIC296-40529-1-ND-ICRS485TXRX3.3ESD8SOIC2, Series=-, Type=Zener, Unidirectional Channels=-
D400 D500 D502 D504: "1A Schottky Diode", Supplier Part Number 1=511-STPS1L40ZF, Supplier 1=Mouser
J1: "AMP-LATCH Universal Headers - 26 Pos", Supplier Part Number 1=AHK26H-ND, Supplier 1=Digi-Key
J2: library part Socket, "Socket", LatestRevisionDate=17-Jul-2002, LatestRevisionNote="Re-released for DXP Platform.", Publisher="Altium Limited"
J100: "2 pin molex connector for connecting laser to 48Vdc"
J200: "USB Type B female connector.", Supplier Part Number 1=380-1492-ND, Supplier 1=Digi-Key, USB Type="Type B"
J202 J203: "USB Type A female connector.", Supplier Part Number 1=732-10012-ND, Supplier 1=Digi-Key, USB Type="Type A"
J400 J402: "40 mil solder pad - 25 mil hole"
J401: library part uUSB_Padsonly, "Micro USB Connection - solder pads only", Supplier Part Number 1=710-629105150921, Supplier 1=Mouser
J500: "Symbolic schematic symbol showing the inductance and resitance of the heaters"
L100: library part XAL6020-112MEB, "1.1uH inductor for EMI suppresion on 5V regulator", Supplier Part Number 1=994-XAL6020-112MEB, Supplier 1=Mouser
L400 L401: library part BLM21SP601SH1D, "Ferrite Bead, 600 Ohm Impedence for TLC", Supplier Part Number 1=81-BLM21SP601SH1D, Supplier 1=Mouser
LED400: "LED", Manufacturer_Name="ROHM Semiconductor", Height=0.9mm, Manufacturer_Part_Number=SML-211DTT86
M1 M103: "N-MOSFET for logic level switching", Supplier Part Number 1=863-BSS138LT7G, Supplier 1=Mouser
M500 M501 M502: library part SQJ208EP-T1_GE3, "Two NPN Power Transistors for heater power control", Supplier Part Number 1=78-SQJ208EP-T1_GE3, Supplier 1=Mouser
P8: library part HDR_46_F_2_0.1_0.1, "2x23 Female Pin header, 2.54mm, gold plated", Color=Black, Manufacturer="Sullins Connector Solutions", Manufacturer Part Number=PPPC232LFBN-RC, Supplier Part Number 1=SAM1196-23-ND, Category="Connectors, Interconnects", ComponentLink1Description=http://www.sullinscorp.com/drawings/78_P(N)PxCxxxLFBN-RC,_10492-G.pdf, ComponentLink1URL=http://www.sullinscorp.com/drawings/78_P(N)PxCxxxLFBN-RC,_10492-G.pdf, Connector Type=Header, Contact Finish=Gold, Contact Finish Thickness=Flash, Contact Type="Female Socket", Fastening Type=-, Features=-, Mounting Type="Through Hole", Number of Positions=46, Number of Positions Loaded=All, Number of Rows=2, Packaging=Bulk, Pitch="0.100\" (2.54mm)", Pricing 1="1=2.75, 10=2.325, 25=2.2196, 50=2.0084, 100=1.7969, 250=1.58552, 500=1.4798, 1000=1.3741, 2500=1.32125 (USD)", RoHS="RoHS Compliant", Row Spacing="0.100\" (2.54mm)", Stock 1=750, Supplier 1=Digi-Key, Termination=Solder
P9: library part HDR_44_M_TRIMMED, "2x22 Male Pin header, 2.54mm, gold plated", Color=Black, Manufacturer="Sullins Connector Solutions", Manufacturer Part Number=PPPC232LFBN-RC, Supplier Part Number 1=SAM1196-23-ND, Category="Connectors, Interconnects", ComponentLink1Description=http://www.sullinscorp.com/drawings/78_P(N)PxCxxxLFBN-RC,_10492-G.pdf, ComponentLink1URL=http://www.sullinscorp.com/drawings/78_P(N)PxCxxxLFBN-RC,_10492-G.pdf, Connector Type=Header, Contact Finish=Gold, Contact Finish Thickness=Flash, Contact Type="Female Socket", Fastening Type=-, Features=-, Mounting Type="Through Hole", Number of Positions=46, Number of Positions Loaded=All, Number of Rows=2, Packaging=Bulk, Pitch="0.100\" (2.54mm)", Pricing 1="1=2.75, 10=2.325, 25=2.2196, 50=2.0084, 100=1.7969, 250=1.58552, 500=1.4798, 1000=1.3741, 2500=1.32125 (USD)", RoHS="RoHS Compliant", Row Spacing="0.100\" (2.54mm)", Stock 1=750, Supplier 1=Digi-Key, Termination=Solder
P400: "Header, 2-Pin", LatestRevisionDate=17-Jul-2002, LatestRevisionNote="Re-released for DXP Platform.", Publisher="Altium Limited"
R1 R2 R3 R4 R5 R6 R7 R8 R9: library part RN731JTTD1002F10, "10K resistor, Thermister Pullup Resistor", Supplier Part Number 1=660-RN731JTTD1002F10, LatestRevisionDate=29-May-2009, LatestRevisionNote="IPC-7351 Footprint Added.", PackageDescription="Chip Resistor", PackageReference=J1-0603, Published=8-Jun-2000, Publisher="Altium Limited", Supplier 1=Mouser
R10 R101 R104 R105 R106: "100 kOhm Resistor", Supplier Part Number 1=594-MCT06030E1003BP5, Supplier 1=Mouser
R100 R306 R307: "10K resistor, 1/8W, 0805 Imperial", Manufacturer_Name="YAGEO (PHYCOMP)", Datasheet Link=http://www.yageo.com/documents/recent/PYu-RC_Group_51_RoHS_L_10.pdf, Height=0.6mm, Manufacturer_Part_Number=RC0805JR-0710KL
R102 R103 R215: library part 0_Ohm_Link, "Placeholder 0 Ohm Link."
R200: library part ERJ-S03D1501V, "1.5KOhm Resistor, for USB pull up", Supplier Part Number 1=667-ERJ-S03D1501V, LatestRevisionDate=29-May-2009, LatestRevisionNote="IPC-7351 Footprint Added.", PackageDescription="Chip Resistor", PackageReference=J1-0603, Published=8-Jun-2000, Publisher="Altium Limited", Supplier 1=Mouser
R201 R202 R203 R204 R205 R206: library part CR0805-FX-27R0ELF, "27Ohm Resitor, USB Terminating Resistor", Supplier Part Number 1=652-CR0805FX-27R0ELF, LatestRevisionDate=29-May-2009, LatestRevisionNote="IPC-7351 Footprint Added.", PackageDescription="Chip Resistor", PackageReference=J1-0603, Published=8-Jun-2000, Publisher="Altium Limited", Supplier 1=Mouser
R207 R208 R209 R210 R211 R212 R213 R214: library part CRCW060315K0JNEAC, "15KOhm Resistor, for USB pull down", Supplier Part Number 1=541-15KGCT-ND, LatestRevisionDate=29-May-2009, LatestRevisionNote="IPC-7351 Footprint Added.", PackageDescription="Chip Resistor", PackageReference=J1-0603, Published=8-Jun-2000, Publisher="Altium Limited", Supplier 1=Digi-Key
R300 R302 R303 R304: library part SR732BTTE10R0F, "10 Ohm Resistor, RS-422 shockproof resistor", Supplier Part Number 1=660-SR732BTTE10R0F, LatestRevisionDate=29-May-2009, LatestRevisionNote="IPC-7351 Footprint Added.", PackageDescription="Chip Resistor", PackageReference=J1-0603, Published=8-Jun-2000, Publisher="Altium Limited", Supplier 1=Mouser
R301 R305: library part SR0805FR-47100RL, "100 Ohm resistor, RS422 Terminating Resistor", Supplier Part Number 1=YAG5845CT-ND, LatestRevisionDate=29-May-2009, LatestRevisionNote="IPC-7351 Footprint Added.", PackageDescription="Chip Resistor", PackageReference=J1-0603, Published=8-Jun-2000, Publisher="Altium Limited", Supplier 1=Digi-Key
R400 R403: library part CRGP0603F470R, "470 Ohm Generic Chip Resistor", Supplier Part Number 1=279-CRGP0603F470R, Supplier 1=Mouser
R401 R402: library part CRCW060333R0FKEAC, "33 Ohm Generic Chip Resistor", Supplier Part Number 1=71-CRCW0603-33-E3, Supplier 1=Mouser
R500 R501 R502: "100 Ohm Resistor", Supplier Part Number 1=541-100HCT-ND, Supplier 1=Digi-Key
RT1: library part Thermisters, "NTC Thermisters to monitor temperature of box. On PCB this will be a pin header."
U1: library part SN74AHC1G14DCK3, "Inverter, single gate", Manufacturer_Name="Texas Instruments", Datasheet Link=https://www.arrow.com/en/products/sn74ahc1g14dck3/texas-instruments, Height=1.1mm, Manufacturer_Part_Number=SN74AHC1G14DCK3
U2: library part SN74HC244A, "Tristate buffer for protecting the BBB during power down.", Supplier Part Number 1=595-SN74HC244APWR, IC Family=SN74HC244A, Supplier 1=Mouser
U200 U202: library part CMP-0326-00072-3, "Universal Serial Bus Port Transient Suppressor, 4 Channels, -40 to +85 degC, 8-pin TSSOP (PW), Green (RoHS & no Sb/Br)", Breakdown Voltage(Min)(V)=7, IO Capacitance(Typ)(pF)=35, IO Leakage Current(nA)=1000, Manufacturer="Texas Instruments", ComponentLink1Description="Manufacturer URL", ComponentLink1URL=http://www.ti.com/, ComponentLink2Description=Datasheet, ComponentLink2URL=http://www.ti.com/general/docs/lit/getliterature.tsp?genericPartNumber=SN65240&fileType=pdf, ComponentLink3Description="URL Link1", ComponentLink3URL=SamplesURL:http://www.ti.com/product/sn65240#samples, DatasheetVersion=SLLS266G, Eco-Plan="Pb-Free (RoHS)", Manufacturer Part Number=SN65240PWR, Mounting Technology="Surface Mount", PackageDescription="8-Pin Plastic Thin Small Outline Package 3 x 4.4 mm Body ,0.65 mm Pitch", PackageReference=PW0008A, PackageVersion="revG, Feb-2011", PartNumber=SN65240PWR, SubFamily="ESD Solution", USB Full Speed=TRUE
U201: "USB 2.0 Hub IC", Manufacturer="Texas Instruments", Manufacturer_Part_Number=tusb2046b_vf_32, PACKAGE_DESIGNATOR=VF, Supplier Part Number 1=296-48218-1-ND, Datasheet_URL=http://www.ti.com/lit/gpn/TUSB2046B, FAMILY_NAME="USB HUB CONTROLLER", GENERIC_PART_NUMBER=TUSB2046B, INDUSTRY_STD_PKG_TYPE=LQFP, PIN_COUNT=32, RefDes=RefDes, Supplier 1=Digi-Key, Type=Type, Vendor="Texas Instruments"
U203: library part TITPS10244BD1, "Quad Current-Limited Power Distribution Switch, 1 A Current Limit, -40 to 85 degC, 16-pin SOIC (D), Green (RoHS & no Sb/Br)", Manufacturer="Texas Instruments", ComponentLink1Description=datasheet, ComponentLink1URL=http://www.ti.com/general/docs/lit/getliterature.tsp?genericPartNumber=TPS2044B&fileType=pdf
U300: "RS-422 line driver IC", Generic Part Number=SN65HVD1470, Supplier Part Number 1=296-40501-1-ND, Supplier 1=Digi-Key
U401: "MCU 32-bit Kinetis K20 ARM Cortex M4 RISC 256KB Flash 1.8V/2.5V/3.3V 64-Pin LQFP Tray", Package="LQFP-64 Freescale Semiconductor", Supplier Part Number 1=841-MK20DX256VLH7, Availability=Unavailable, MF="NXP USA", MP=MK20DX256VLH7, Price=None, SnapEDA_Link=https://www.snapeda.com/parts/MK20DX256VLH7/NXP%20USA%20Inc./view-part/?ref=snap, Supplier 1=Mouser
U402: "Bootloader chip for teensy 3.2", Part Number=MKL04Z32
U500 U501 U502: library part CMP-0479-00408-1, "Single and Dual Micropower High Side Switch Controller, 1.8 to 5.5 V Vin, 5-pin SOT23 (S5-5), -40 to 85 degC, Pb-Free, Mini Tape and Reel", Manufacturer="Analog Devices / Linear Technology", ComponentLink1Description="Manufacturer URL", ComponentLink1URL=http://www.linear.com/, ComponentLink2Description=Datasheet, ComponentLink2URL=http://cds.linear.com/docs/en/datasheet/19812fs.pdf, ComponentLink3Description="Package Specification", ComponentLink3URL=http://cds.linear.com/docs/en/datasheet/17278fb.pdf, Manufacturer Part Number=LTC1981ES5#TRMPBF, Mounting Technology="Surface Mount", PackageDescription="5-Pin Plastic SOT-23, Body 1.625 x 2.90 mm, Pitch 0.95 mm", PackageReference=S5-5, PackageVersion=Aug-07, Packing="Mini Tape and Reel", PartNumber=LTC1981ES5#TRMPBF, RoHS=TRUE
VR100: library part "THN 10-2411WIR", "28V to 5V converter", ComponentLink1Description=Datasheet, ComponentLink1URL=https://www.mouser.com/datasheet/2/687/thn10wir-datasheet-1695877.pdf, Manufacture Part No="THN 10-2411WIR", Supplier 1=Digi-Key
VR101: "28V to 48V converter, 50W", Supplier Part Number 1=492-V24C48C50BL, Supplier 1=Mouser
VR103 VR400: library part CMP-0062-00443-4, "3.3V 500mA Low Dropout CMOS Linear Regulators Stable with Ceramic Output Capacitors, 3-pin TO-252, Pb-Free, 75 Rail", Manufacturer="Texas Instruments", PackageTopMarking=NSUZXYTT*LP38691*DT-3.3, PowerWise=Y, Code_JEDEC=TO-252-AA, ComponentLink1Description="Datasheet URL", ComponentLink1URL=http://www.ti.com/general/docs/lit/getliterature.tsp?genericPartNumber=LP38691&fileType=pdf, CompType="LDO IC", High-Reliability=Y, PackageDescription="TO252, Molded, Jedec, 6.8 x 6.10 x 2.30mm Body, 3 Lead, 2.28mm Pitch, Surface Mount", PackageReference=NDP0003B, PartNumber=LP38691DT-3.3/NOPB, PinCount=3, RoHS=Y
Y200: library part KC3225A-C3, "48MHz crystal oscillator"
Y400: "Crystal 16MHz", Package="SMD-4 ECS International", Supplier Part Number 1=520-160-10-37-RWM-T, Digi-Key_Part_Number=XC2119CT-ND, Digi-Key_Purchase_URL=https://www.digikey.com/product-detail/en/ecs-inc/ECS-160-10-37-RWM-TR/XC2119CT-ND/5875603?utm_source=snapeda&utm_medium=aggregator&utm_campaign=symbol, MF="ECS Inc.", MP=ECS-160-10-37-JTN-TR, SnapEDA_Link=https://www.snapeda.com/parts/ECS-160-10-37-RWM-TR/ECS%20Inc./view-part/?ref=snap, Supplier 1=Mouser

## Via types
v1: diameter 20, hole 10, Component Side to Solder Side, 107 vias
v2: diameter 20, hole 8, Component Side to Solder Side, 86 vias

## Nets (pads, with @x,y where several pads share a name; then routed paths per layer and width w, separated by ;. In a path a pad name is that pad's centre, name@x,y a point inside that pad or via, vN(x,y) a via of type N, cw(c..) or ccw(c..) an arc to the next point about the centre after c; other vN are vias at no path point)
3V3: C107.2 C108.2 C109.2 C200.2 C201.2 C204.2 C205.2 C206.1 C300.1 C301.1 C302.1 C303.1 R200.2 R215.2 R307.1 U1.5 U2.20 U201.3 U201.18 U201.22 U201.25 U201.26 U201.31 U300.13 U300.14 VR103.1 Y200.1 Y200.4 | length 2915
  Component Side w10: C109.2@2211.3,2269.09 2225,2255.39 C109.2@2225,2252.44 C109.2@2227.56,2255 ; v2(2985,1910) R307.1@3041.1,1910 ; C300.1@3310.61,2379.39 C300.1@3312.56,2381.34 ; U300.13@3311.22,2235 U300.13@3330.91,2235 ; C301.1@3454.57,2385 C301.1@3455,2384.57 ; C301.1@3467.13,2364.57 C301.1@3475,2372.44
  Component Side w15: U1.5@2300,2460 v2(2465,2460) ; U201.18@2671.26,1078.66 2671.26,1098.18 2677.43,1104.35 2677.43,1106.87 2736.82,1166.26 2795,1166.26 ; U2.20@2687.8,2315.16 2769.84,2315.16 v2(2770,2315) ; v2(2740,1550) 2740,1545 2773.41,1511.59 2773.41,1501.2 2784.61,1490 C205.2@2787.56,1490 2787.56,1448.8 2795.97,1440.39 2795.97,1412.61 U201.3@2797.24,1411.34 ; U201.22@2797.24,1078.66 2797.24,1164.02 2795,1166.26 ; U201.25@2916.34,1134.76 2917.44,1133.66 2988.9,1133.66 C206.1@2990,1132.56 2990,1135.51 2960.52,1164.99 2917.61,1164.99 U201.26@2916.34,1166.26 2795,1166.26 ; U201.31@2916.34,1323.74 2965.36,1323.74 2983.96,1342.34 2984.78,1342.34 2995,1352.56 R215.2@2995,1353.54 ; R200.2@3018.54,1545 3025,1538.54 v2(3025,1450) 3000,1425 3000,1358.54 R215.2@2995,1353.54 ; U300.14@3310.61,2285.61 v1(3310.61,2325) C300.1@3310.61,2379.39 ; C300.1@3312.56,2381.34 C302.1@3312.56,2460 ; U300.13@3330.91,2235 3390,2294.09 v2(3390,2385) C301.1@3454.57,2385 ; C200.2@3450,1287.56 C204.2@3310,1287.56 3310,1290.51 3295.51,1305 Y200.1@3210,1305 Y200.4@3101.73,1305 3101.73,1344.76 3092.95,1353.54 R215.2@2995,1353.54 ; C301.1@3455,2384.57 C303.1@3522.13,2384.57
  Component Side w20: VR103.1@1874.76,2416.26 1882.2,2416.26 1883.46,2415 1977.17,2415 1988.89,2403.28 1988.89,2266.72 2000.6,2255 2157.44,2255 C108.2@2160,2252.44 ; C108.2@2160,2255 2222.44,2255 C109.2@2225,2252.44 ; C109.2@2227.56,2255 v1(2285,2255)
+5: C110.2 C213.2 C500.2 C501.2 C502.2 P9.5 P9.6 P400.2 R10.1 R102.1 U203.2 U500.5 U501.5 U502.5 VR100.3 VR103.3 | length 9898.2
  Component Side w10: VR103.3@1693.98,2415 VR103.3@1695.24,2416.26 1695.24,2502.8 C110.2@1697.44,2505 ; R102.1@3005,3488.54 3005,3630 VR100.3@3170,3795
  Component Side w15: v2(1990,3155) C500.2@2079.57,3155 ; v2(1990,3515) C501.2@2079.57,3515 ; v2(1990,3860) 2000,3860 ; U500.5@2081.97,3067.99 C500.2@2081.97,3152.6 ; U502.5@2081.97,3770.59 C502.2@2081.97,3857.6 ; U501.5@2082.56,3422.4 C501.2@2082.56,3510.04
  Component Side w20: R10.1@278.54,3060 605,3060 v1(610,3065) ; v1(1615,2415) VR103.3@1693.98,2415 ; 1755,2845 1825,2915 v2(1867.5,2915) v2(1910,2915) v2(1955,2915) ; U203.2@1846.22,1570 C213.2@1930,1570 ; C213.2@1935,1570 v2(2000,1570) ; 2000,3860 C502.2@2079.57,3860
  Component Side w50: v1(610,3175) v1(610,3138.33) v1(610,3101.67) v1(610,3065) 611.65,3063.35 759.45,3063.35 760,3063.9 881.1,3063.9 950,2995 950,2545 1080,2415 v1(1615,2415) v1(1615,2378.33) 1615,2375 v1(1615,2305) ; P9.5@1615,2705 1755,2845 v2(3200,2845) v2(3235,2845) v2(3270,2845) v2(3305,2845) ; C500.2@2079.57,3155 C500.2@2081.97,3152.6 ; C501.2@2079.57,3515 2079.57,3513.03 C501.2@2082.56,3510.04 ; C502.2@2079.57,3860 C502.2@2081.97,3857.6
  Solder Side w20: v2(1867.5,2915) v2(1910,2915) v2(1955,2915) 1990,2950 v2(1990,3155) v2(1990,3515) v2(1990,3860)
  Solder Side w25: v1(1615,2305) 1615,2050 1693.75,1971.25 1878.75,1971.25 1995,1855 v2@1995,1570
  Solder Side w50: P400.2@245,3925 490,3680 490,3455 610,3335 v1(610,3175) v1(610,3138.33) v1(610,3101.67) ; v1(1615,2305) P9.6@1615,2605 P9.5@1615,2705 ; VR100.3@3170,3795 3170,3605 3385,3390 3385,2925 v2(3305,2845) ; v2(3200,2845) v2(3235,2845) v2(3270,2845) v2@3300,2845
  other v1: 1615,2341.67